# Allegro board 1151864-PCIE3_0_X16-166-20240802_20240815_2000_pcb.brd (continued)
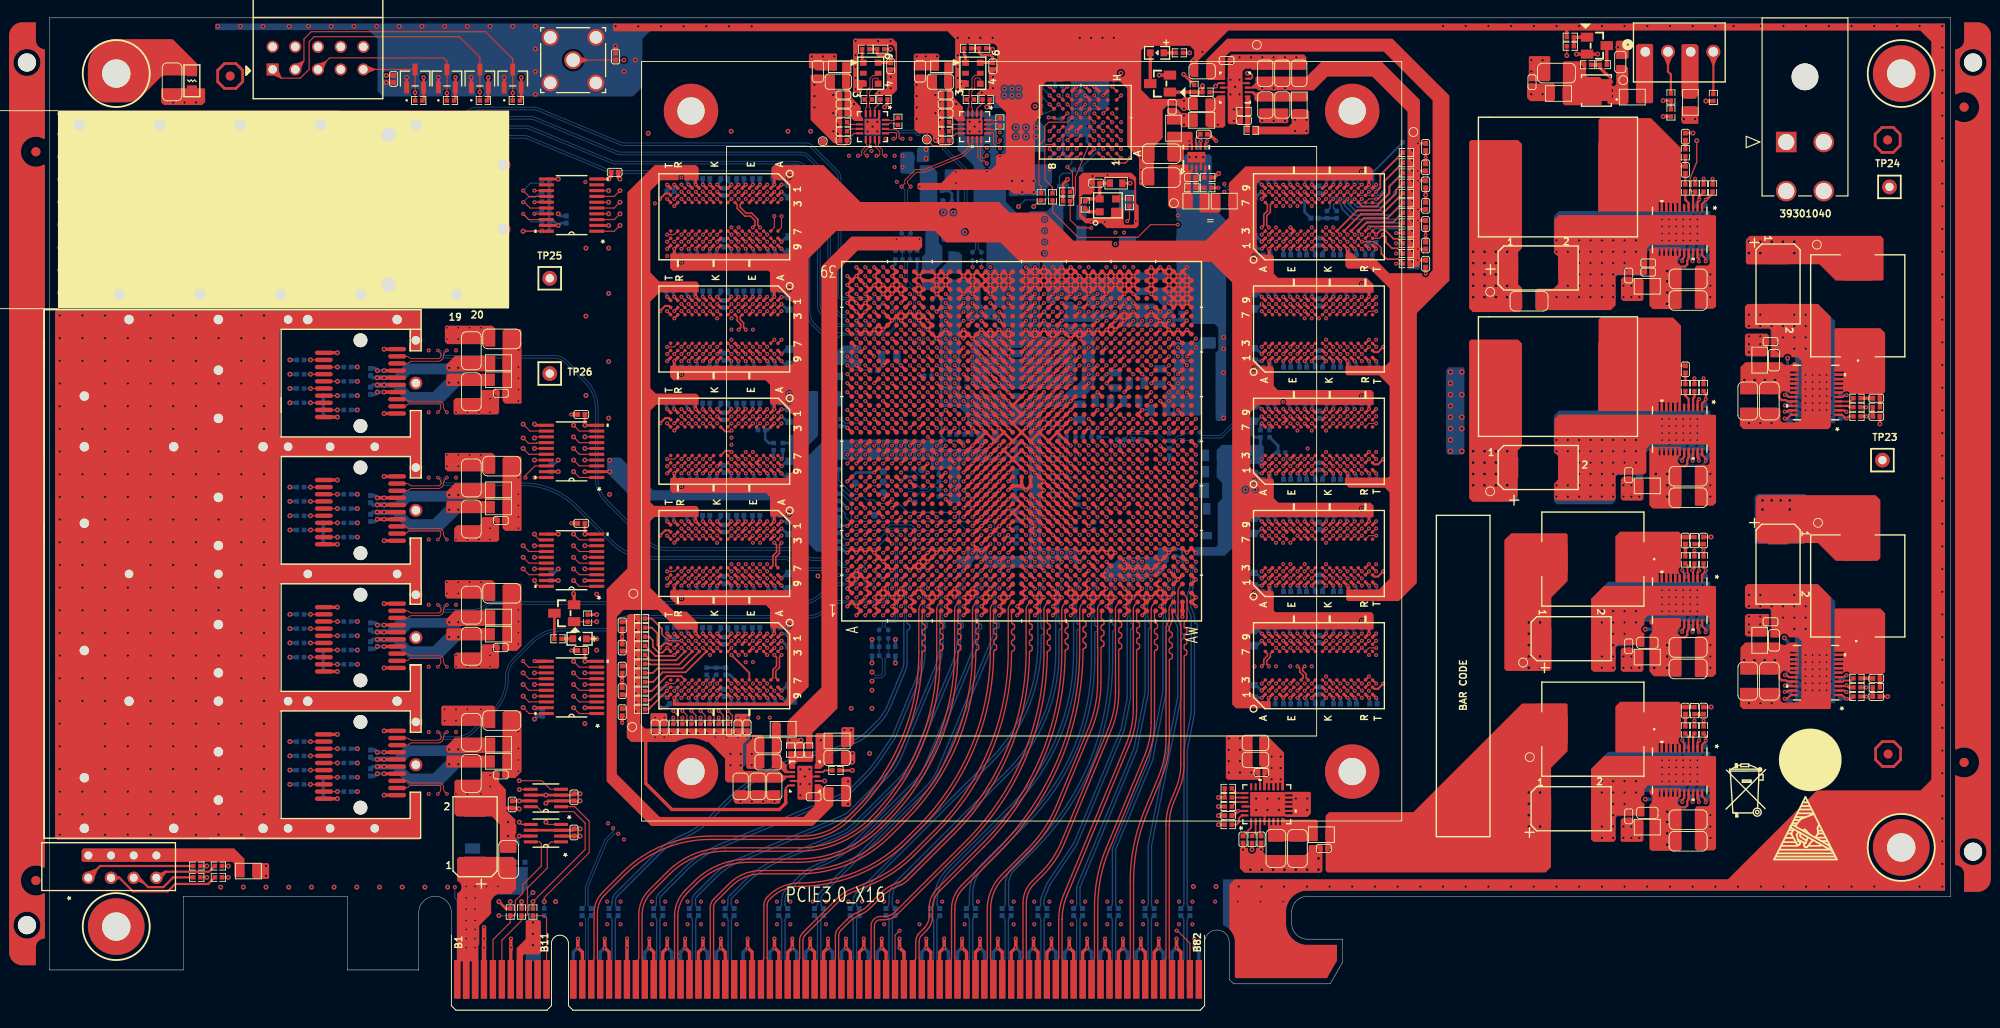
[diagram p0: board, top side]
## Routing (per net, layer and track width the routed paths; a pad name or vN(x,y) marks a point on that pad's centre or on a via; arc(x,y) is an arc through that point) (continued)
FPGA_DDR4_2_UDM2_N: length 28.7
  TOP w0.127: U10.E2 v1(138.89,73.5) ; U1.AV16 v1(127.32,59.23)
  ART12 w0.137: v1(127.32,59.23) 127.62,59.23 128.13,59.74 128.51,59.74 128.89,59.36 131.84,59.36 134.96,62.48 134.96,70.76 135.49,71.3 135.49,72.19 135.24,72.44 135.24,74.47 135.95,75.18 137.09,75.18 137.23,75.05 137.23,74.91 137.36,74.78 137.64,74.78 137.78,74.91 137.78,75.05 137.91,75.18 138.36,75.18 138.49,75.05 138.49,74.14 138.5,74.14 138.89,73.74 v1(138.89,73.5)
FPGA_DDR4_2_UDM3_N: length 34.4
  TOP w0.127: U11.E2 v1(138.89,35.78)
  TOP w0.201: U1.AL12 v1(119.32,56.23)
  ART12 w0.137: v1(138.89,35.78) 138.3,35.38 135.6,35.38 135.28,35.52 132.24,37.55 126.49,43.29 125.34,44.06 124.34,44.73 124.08,44.84 123.39,45.3 122.53,45.66 121.92,45.66 121.26,45.79 121.03,45.88 120.85,46.06 120.69,46.45 120.54,46.6 120.15,46.76 119.88,47.04 119.82,47.31 119.82,48.36 119.55,48.63 119.16,48.79 118.86,49.1 118.86,54.51 119.14,55.64 v1(119.32,56.23)
FPGA_DDR4_2_UDM4_N: length 17.8
  TOP w0.127: U1.AU9 v1(126.32,52.23) ; U12.E2 v1(138.89,48.36)
  ART03 w0.137: v1(138.89,48.36) 138.5,48.1 138.24,47.96 134.66,47.96 134.01,48.23 133.93,48.41 133.98,48.52 133.9,48.7 133.65,48.81 133.47,48.73 133.42,48.62 133.25,48.54 132.99,48.65 132.92,48.83 132.97,48.94 132.89,49.12 132.64,49.23 132.46,49.15 132.41,49.04 132.23,48.96 131.98,49.07 131.9,49.25 131.95,49.36 131.88,49.54 131.62,49.65 131.44,49.57 131.4,49.46 131.22,49.38 130.96,49.49 130.89,49.67 130.94,49.78 130.86,49.96 130.61,50.07 130.43,49.99 130.38,49.88 130.2,49.8 129.95,49.91 129.88,50.09 129.92,50.2 129.85,50.38 129.6,50.49 129.42,50.41 129.37,50.3 129.19,50.22 128.97,50.31 128.79,50.5 128.24,50.72 127.36,50.72 127.07,50.85 126.77,51.14 v1(126.32,52.23)
FPGA_DDR4_2_UDQS1_C: length 48
  TOP w0.127: U1.AL16 v1(120.32,59.23)
  TOP w0.173: U9.A7 136.33,90.24 136.33,89.53 135.93,89.13 135.93,87.91 v1(135.69,87.67)
  ART12 w0.102: v1(120.32,59.23) 120.02,59.23 119.92,59.13 119.92,58.96 120.06,58.83 120.58,58.83 120.72,58.97 120.72,63.79 121.72,64.79 121.72,66.54 122.01,66.83 122.79,66.83 123.01,67.06 123.39,67.06 123.45,67.12 123.48,67.12
  ART12 w0.14: 123.48,67.12 123.85,67.12 123.99,67.26 123.99,67.58 124.13,67.72 124.41,67.72 124.55,67.58 124.55,67.26 124.69,67.12 125.09,67.12 126.1,68.12 126.64,68.12 126.78,68.26 126.78,68.29 126.92,68.43 127.2,68.43 127.34,68.29 127.34,68.26 127.47,68.12 127.85,68.12 127.99,68.26 127.99,69.75 127.62,70.12 127.62,71.15 127.99,71.52 127.99,73.22 127.57,73.63 127.57,73.77 127.43,73.91 127.11,73.91 126.78,74.24 126.78,75.07 127.11,75.4 127.43,75.4 127.57,75.54 127.57,75.77 127.95,76.15 127.95,83.77 131.86,87.67 v1(135.69,87.67)
FPGA_DDR4_2_UDQS1_T: length 48.2
  TOP w0.127: U1.AK16 v1(119.32,59.23)
  TOP w0.173: U9.B7 136.66,90.24 136.66,89.4 136.26,89 136.26,87.91 v1(136.49,87.67)
  ART12 w0.102: 123.48,66.79 123.45,66.79 123.39,66.85 123.1,66.85 122.87,66.63 122.09,66.63 121.92,66.45 121.92,64.71 120.92,63.71 120.92,58.88 120.66,58.62 119.97,58.62 119.72,58.88 119.72,59.13 119.62,59.23 v1(119.32,59.23) ; 135.37,87.27 135.74,87.27 136.09,87.42 v1(136.49,87.67)
  ART12 w0.14: 135.37,87.27 135.3,87.35 131.99,87.35 128.28,83.63 128.28,76.01 127.9,75.63 127.9,75.41 127.57,75.08 127.25,75.08 127.11,74.94 127.11,74.38 127.25,74.24 127.57,74.24 127.9,73.91 127.9,73.77 128.32,73.35 128.32,71.39 127.95,71.02 127.95,70.25 128.32,69.88 128.32,68.13 127.98,67.8 126.23,67.8 125.23,66.79 123.48,66.79
FPGA_DDR4_2_UDQS2_C: length 27.7
  TOP w0.127: U1.AV17 v1(127.32,60.23) ; U10.A7 v1(135.69,78.3)
  ART12 w0.102: v1(127.32,60.23) 127.02,60.23 126.92,60.13 126.92,59.98 127.07,59.83 127.48,59.83 127.72,60.06 127.72,60.52 128.02,60.83 128.68,60.83 128.75,60.89 128.77,60.89
  ART12 w0.14: v1(135.69,78.3) 135.93,78.07 135.93,77.28 135.31,76.65 134.4,76.65 133.52,75.77 133.52,63.35 131.06,60.89 130.62,60.89 130.48,61.03 130.48,61.35 130.34,61.49 130.06,61.49 129.92,61.35 129.92,61.03 129.78,60.89 128.77,60.89
FPGA_DDR4_2_UDQS2_T: length 27.7
  TOP w0.127: U1.AU17 v1(126.32,60.23) ; U10.B7 v1(136.49,78.3)
  ART12 w0.102: v1(126.32,60.23) 126.62,60.23 126.72,60.13 126.72,59.9 126.99,59.63 127.57,59.63 127.92,59.98 127.92,60.44 128.11,60.63 128.68,60.63 128.75,60.56 128.77,60.56
  ART12 w0.14: v1(136.49,78.3) 136.26,78.07 136.26,77.14 135.44,76.33 134.54,76.33 133.84,75.63 133.84,63.21 131.19,60.56 128.77,60.56
FPGA_DDR4_2_UDQS3_C: length 30.7
  TOP w0.127: U1.AN7 v1(122.32,50.23)
  TOP w0.173: U11.A7 136.33,39.95 136.33,39.7 135.93,39.3 135.93,38.75 v1(135.69,38.51)
  ART12 w0.102: v1(122.32,50.23) 122.02,50.23 121.92,50.33 121.92,50.53 122.02,50.63 128.65,50.63 128.71,50.56 128.74,50.56
  ART12 w0.14: v1(135.69,38.51) 135.93,38.75 135.93,39.03 135.54,39.42 134.27,39.42 131.07,42.61 131.07,43.69 131.41,44.02 132.08,44.02 132.22,44.16 132.22,44.69 132.06,44.86 131.41,44.86 131.07,45.19 131.07,46.02 131.41,46.35 132.08,46.35 132.22,46.49 132.22,47.02 132.06,47.19 131.41,47.19 131.07,47.52 131.07,48.67 130.1,49.65 129.9,49.65 129.68,49.42 129.48,49.42 129.28,49.62 129.28,49.82 129.5,50.04 129.5,50.24 129.18,50.56 128.74,50.56
FPGA_DDR4_2_UDQS3_T: length 30.7
  TOP w0.127: U1.AM7 v1(121.32,50.23)
  TOP w0.173: U11.B7 136.66,39.95 136.66,39.57 136.26,39.16 136.26,38.75 v1(136.49,38.51)
  ART12 w0.102: v1(121.32,50.23) 121.62,50.23 121.72,50.33 121.72,50.61 121.94,50.83 128.65,50.83 128.71,50.89 128.74,50.89
  ART12 w0.14: 128.74,50.89 129.31,50.89 131.4,48.8 131.4,47.65 131.54,47.52 132.19,47.52 132.55,47.16 132.55,46.35 132.22,46.02 131.54,46.02 131.4,45.88 131.4,45.32 131.54,45.18 132.19,45.18 132.55,44.83 132.55,44.02 132.22,43.69 131.54,43.69 131.4,43.55 131.4,42.75 134.4,39.75 135.67,39.75 136.26,39.16 136.26,38.75 v1(136.49,38.51)
FPGA_DDR4_2_UDQS4_C: length 14.1
  TOP w0.127: U1.AU12 v1(126.32,55.23) ; U12.A7 v1(135.69,53.16)
  ART03 w0.102: 128.74,54.89 128.71,54.89 128.65,54.83 126.02,54.83 125.92,54.93 125.92,55.13 126.02,55.23 v1(126.32,55.23)
  ART03 w0.14: 128.74,54.89 129.39,54.89 132.67,53.53 132.85,53.61 132.89,53.71 133.08,53.79 133.34,53.68 133.41,53.5 133.37,53.4 133.45,53.21 133.7,53.11 133.89,53.18 133.94,53.32 134.13,53.4 134.38,53.29 134.46,53.11 134.4,52.97 134.48,52.79 135.29,52.45 135.71,52.45 135.93,52.66 135.93,52.92 v1(135.69,53.16)
FPGA_DDR4_2_UDQS4_T: length 14
  TOP w0.127: U12.B7 v1(136.49,53.16) ; U1.AT12 v1(125.32,55.23)
  ART03 w0.102: v1(125.32,55.23) 125.62,55.23 125.72,55.13 125.72,54.85 125.94,54.63 128.65,54.63 128.71,54.56 128.74,54.56
  ART03 w0.14: v1(136.49,53.16) 136.26,52.92 136.26,52.53 135.85,52.12 135.23,52.12 134.48,52.43 129.33,54.56 128.74,54.56
FPGA_DDR4_2_WE_N: length 134
  TOP w0.127: U12.L2 v1(144.49,48.36) ; U10.L2 v1(144.49,73.5) ; U13.L2 v1(144.49,60.93) ; U11.L2 v1(144.49,35.78) ; U9.L2 v1(144.49,86.07) ; U1.AJ22 v1(118.32,66.23)
  ART05 w0.137: v1(150.73,84.76) 149.72,85.78 147.43,85.78 147.33,85.67 144.89,85.67 v1(144.49,86.07) ; 144.49,35.77 144.27,35.77 143.88,35.38 135.37,35.38
  ART05 w0.155: 135.37,35.38 122.51,35.38 119.93,37.96 119.93,38.18 120.08,38.33 120.08,38.55 119.86,38.77 119.65,38.77 119.5,38.62 119.28,38.62 113.4,44.5 113.4,44.85 112.53,45.72 112.15,45.72 111.82,46.05 111.82,61.21 111.92,61.44 112.16,61.68 112.55,61.84 112.69,61.98 112.89,62.46 113.05,62.62 113.53,62.82 113.72,63.01 114.01,63.72 114.56,64.54 114.94,65.45 115.11,65.62 115.56,65.81 117.46,65.81 118.21,66.12 v1(118.32,66.23) ; v1(144.49,35.78) 144.49,35.77
  ART12 w0.086: v1(144.49,86.07) 144.3,86.07 143.9,85.67 143.57,85.67 143.32,85.43 143.32,85.05 143.53,84.55 145.65,82.42 145.65,80.07 145.67,80.06 145.67,77.79 144.09,76.21 144.09,74.13 144.49,73.73 v1(144.49,73.5) 144.3,73.5 143.9,73.1 143.57,73.1 143.32,72.86 143.32,72.47 143.53,71.98 145.65,69.85 145.65,67.5 145.67,67.48 145.67,65.24 144.09,63.67 144.09,61.56 144.49,61.16 v1(144.49,60.93) 144.3,60.93 143.9,60.53 143.57,60.53 143.32,60.28 143.32,59.9 143.53,59.4 145.65,57.28 145.65,54.92 145.67,54.91 145.67,52.74 144.09,51.17 144.09,48.98 144.49,48.58 v1(144.49,48.36) 144.3,48.36 143.9,47.96 143.57,47.96 143.32,47.71 143.32,47.33 143.53,46.83 145.65,44.7 145.65,42.35 145.67,42.34 145.67,40.32 144.09,38.75 144.09,36.41 144.49,36.01 v1(144.49,35.78)
  BOTTOM w0.201: R135.1 v1(150.73,84.76)
FPGA_DDR4_CLK_1_200M_N: length 16.5
  TOP w0.127: U1.H31 v1(96.32,75.23)
  BOTTOM w0.102: v1(96.32,75.23) 96.62,75.23 96.72,75.13 96.72,74.9 96.99,74.63 97.65,74.63 97.92,74.9 97.92,76.61 97.7,76.83 97.09,76.83 96.92,76.99 96.92,80.74 96.68,80.99 96.68,81.06 96.04,81.69 96.04,83.78 R42.2 R39.1 96.33,85.52 96.31,85.54 R40.2 96.06,86.36 96.06,86.69 C372.2
FPGA_DDR4_CLK_1_200M_P: length 16.3
  TOP w0.127: U1.J31 v1(97.32,75.23)
  BOTTOM w0.102: v1(97.32,75.23) 97.02,75.23 96.92,75.13 96.92,74.98 97.08,74.83 97.56,74.83 97.72,74.99 97.72,76.52 97.62,76.62 97,76.62 96.72,76.91 96.72,80.66 96.53,80.85 96.47,80.85 96.32,80.99 96.18,80.99 96.07,80.88 95.93,80.88 95.78,81.03 95.78,81.17 95.89,81.28 95.89,81.42 95.75,81.57 95.75,83.81 R41.2 R38.1 95.48,85.59 95.51,85.62 R40.1 95.76,86.36 95.76,86.66 C373.2
FPGA_DDR4_CLK_2_200M_N: length 10.2
  TOP w0.127: U1.AM20 v1(121.32,63.23)
  BOTTOM w0.102: C370.2 127.73,63.82 R64.2 126.61,64.04 126.43,64.04 R63.1 123.75,64.53 121.09,64.53 120.99,64.43 120.99,64.28 R66.2 v1(121.32,63.23)
FPGA_DDR4_CLK_2_200M_P: length 10.3
  TOP w0.127: U1.AL20 v1(120.32,63.23)
  BOTTOM w0.102: v1(120.32,63.23) R65.2 120.67,64.31 120.67,64.58 120.92,64.82 123.87,64.82 124.9,63.8 R62.1 125.73,63.8 arc(125.76,63.81) 125.8,63.83 126.31,64.34 126.55,64.34 R64.1 127.71,64.62 C371.2
FPGA_DONE: length 71.3
  TOP w0.127: U1.U9 v1(106.32,52.23) ; v2(61.26,43.51) R3.2 Q1.1
  ART10 w0.086: v1(106.32,52.23) 106.77,51.78 106.77,42.94 96.82,32.99 81.74,32.99 81.03,32.28 65.71,32.28 62.1,35.89 62.1,42.67 v2(61.26,43.51)
FPGA_EMCCLK: length 18.9
  TOP w0.127: v1(120.64,88.39) 120.89,88.64 R23.2
  ART12 w0.086: v1(118.32,75.23) 118.73,75.64 120.48,75.64 120.79,75.95 120.79,88.31 120.7,88.39 v1(120.64,88.39)
  BOTTOM w0.127: R21.2 117.84,74.75 v1(118.32,75.23)
FPGA_INIT_B: length 47.7
  TOP w0.127: U1.T10 v1(105.32,54.23)
  ART10 w0.086: v2(108.47,90.02) 108.58,89.9 108.58,55.45 107.77,54.64 105.73,54.64 v1(105.32,54.23)
  BOTTOM w0.127: R5.1 114.27,93.75 113.41,93.75 113.05,93.39 R2.2 111.52,90.75 109.21,90.75 v2(108.47,90.02)
FPGA_M0: length 17.6
  TOP w0.127: U1.P9 v1(102.32,52.23)
  BOTTOM w0.127: R11.2 R12.2 89.09,52.73 92.82,52.73 94.09,54 96.35,54 96.89,53.47 96.89,52.96 97.09,52.76 101.79,52.76 v1(102.32,52.23)
FPGA_M1: length 18.6
  TOP w0.127: U1.P8 v1(102.32,51.23)
  BOTTOM w0.127: R14.2 R16.2 88.46,52.5 89.24,51.71 92.53,51.71 93.77,52.96 93.77,53.28 94.22,53.72 95.57,53.72 95.79,53.49 95.79,52.98 96.12,52.65 96.63,52.65 96.86,52.43 96.86,51.97 97.11,51.71 101.83,51.71 v1(102.32,51.23)
FPGA_M2: length 17.9
  TOP w0.127: U1.P10 v1(102.32,53.23)
  BOTTOM w0.127: v1(102.32,53.23) 101.83,53.72 97.11,53.72 96.48,54.36 94.04,54.36 93.43,53.75 90.08,53.75 89.85,53.98 89.85,54.48 89.09,55.24 89.09,55.63 88.66,56.05 R20.2 R17.2
FPGA_PCIE_RST_N: length 107.7
  TOP w0.127: v2(52.6,25.7) 55.12,25.7 56.08,24.74 U19.4 ; U1.K12 v1(99.32,55.23)
  ART03 w0.086: v1(99.32,55.23) 99.73,54.82 105.39,54.82 105.71,54.5 105.71,23.8 94.96,13.04 65.8,13.04 61.08,17.77 57.6,17.77 53.77,21.59 53.77,24.53 v2(52.6,25.7)
FPGA_PCIE_SMCLK: length 103.2
  TOP w0.127: U18.5 52.86,20.8 v2(52.6,21.06) ; U1.N13 v1(101.32,56.23)
  ART03 w0.086: v1(101.32,56.23) 101.73,56.63 105.48,56.63 105.8,56.31 105.8,56.13 106.2,55.74 106.37,55.74 106.74,55.38 106.74,43.44 106.64,43.34 106.64,23.18 95.14,11.67 65.82,11.67 61.05,16.45 57.21,16.45 v2(52.6,21.06)
FPGA_PCIE_SMDAT: length 96.6
  TOP w0.127: v2(55.58,21.06) 55.83,20.8 U18.4 ; U1.K11 v1(98.32,55.23)
  ART03 w0.086: v2(55.58,21.06) 55.6,21.06 58.31,18.35 61.28,18.35 66.18,13.45 94.66,13.45 105.24,24.04 105.24,43.68 104.92,44 104.92,53.48 104.58,53.82 103.16,53.82 102.55,54.43 101.76,54.43 101.56,54.63 98.91,54.63 v1(98.32,55.23)
FPGA_PCIE_WAKE_N: length 103.6
  TOP w0.127: U19.5 52.62,24.74 v2(52.6,24.72) ; U1.N12 v1(101.32,55.23)
  ART03 w0.086: v2(52.6,24.72) 53.29,24.03 53.29,21.16 57.33,17.12 61.06,17.12 65.53,12.65 95.14,12.65 106.22,23.73 106.22,43.22 105.9,43.54 105.9,55.27 105.35,55.82 101.91,55.82 v1(101.32,55.23)
FPGA_POR_OVERRIDE: length 5.9
  TOP w0.127: U1.V8 v1(106.32,51.23)
  BOTTOM w0.127: R13.1 R15.1 107.91,54.05 107.61,53.75 107.02,53.75 106.84,53.57 106.84,51.75 v1(106.32,51.23)
FPGA_PROGRAM_B: length 23.2
  TOP w0.127: U1.V10 v1(106.32,53.23)
  BOTTOM w0.127: v1(106.32,53.23) 106.32,53.38 105.78,53.92 105.78,54.58 105.62,54.74 102.16,54.74 101.85,55.04 101.85,55.42 101.52,55.75 96.06,55.75 95.05,56.77 92.66,56.77 92.25,57.18 91.43,57.18 90.82,57.78 89.9,57.78 88.35,59.33 88.35,60.59 R1.2
FPGA_PUDC_B: length 24.3
  TOP w0.127: U1.U8 v1(105.32,51.23)
  BOTTOM w0.127: v1(105.32,51.23) 105.75,51.66 105.75,53.49 105.45,53.8 102.59,53.8 101.63,54.76 90.13,54.76 89.77,55.12 89.77,56.77 88.71,57.83 R19.2 R18.2
FPGA_QSFP_CLK_156P25M_N: length 8.9
  TOP w0.102: U1.N34 v1(102.32,78.23)
  ART03 w0.084: v1(103.32,83.23) 103.56,83.23 103.65,83.14 103.65,82.71 103.9,82.11 103.9,79.16 103.65,78.92 103.65,78.6 103.73,78.52 103.73,78.08 103.48,77.82 102.4,77.82 102.32,77.9 v1(102.32,78.23)
  BOTTOM w0.102: C15.2 v1(103.32,83.23)
FPGA_QSFP_CLK_156P25M_P: length 9.2
  TOP w0.102: U1.N33 v1(102.32,77.23)
  ART03 w0.084: v1(104.32,83.23) 104.08,83.23 103.99,83.14 103.99,82.78 104.24,82.18 104.24,79.02 104,78.78 104,78.69 103.92,78.61 103.92,78 103.55,77.64 102.4,77.64 102.32,77.55 v1(102.32,77.23)
  BOTTOM w0.102: C14.2 v1(104.32,83.23)
FPGA_QSFP_IIC_SCL: length 22.7
  TOP w0.127: U14.20 v2(53.03,87.25) ; J3.11 v1(44.04,88.68)
  ART10 w0.086: v2(53.03,87.25) 53.03,85.04 49.91,81.92 48.45,81.92 45.21,85.16 45.21,87.51 v1(44.04,88.68)
  BOTTOM w0.127: v2(53.03,87.25) 53.08,87.3 R153.2
FPGA_QSFP_IIC_SCL_1V8: length 105.6
  TOP w0.127: U1.D9 v1(92.32,52.23) ; v2(63.87,87.9) 63.22,87.25 U14.1
  ART03 w0.086: v2(63.87,87.9) 63.87,77.63 65.02,76.48 65.02,31.04 66.7,29.36 81.18,29.36 90.45,38.63 90.45,41.08 92.73,43.36 92.73,51.43 92.32,51.84 v1(92.32,52.23)
FPGA_QSFP_IIC_SDA: length 26.4
  TOP w0.127: U14.18 53.68,88.55 v1(53.03,89.2) ; J3.12 v1(44.04,87.88)
  ART10 w0.086: v1(44.04,87.88) 44.7,87.21 44.7,85.1 48.48,81.33 50.24,81.33 53.72,84.81 53.72,88.51 v1(53.03,89.2)
  BOTTOM w0.127: v1(53.03,89.2) 53.92,88.32 R154.2
FPGA_QSFP_IIC_SDA_1V8: length 104.4
  TOP w0.127: v2(63.87,89.2) 63.22,88.55 U14.3 ; U1.C9 v1(91.32,52.23)
  ART03 w0.086: v2(63.87,89.2) 64.74,88.33 64.74,78.51 65.76,77.5 65.76,31.75 67.41,30.1 80.87,30.1 89.61,38.84 89.61,41.78 91.73,43.89 91.73,51.84 91.34,52.23 v1(91.32,52.23)
FPGA_QSFP_INTL: length 13.3
  TOP w0.127: U14.14 53.68,91.15 v1(53.03,91.8) ; J3.28 v1(49.94,89.08)
  ART10 w0.086: v1(53.03,91.8) 53.03,91.44 53.57,90.91 53.57,90.3 53.3,90.03 50.89,90.03 v1(49.94,89.08)
  BOTTOM w0.127: R158.2 53.86,92.63 v1(53.03,91.8)
FPGA_QSFP_INTL_1V8: length 102.9
  TOP w0.127: v2(63.87,91.8) 63.22,91.15 U14.7 ; U1.A9 v1(89.32,52.23)
  ART03 w0.086: v2(63.87,91.8) 65.45,91.8 66.27,90.98 66.27,80.11 67.23,79.15 67.23,32.64 67.64,32.23 80.77,32.23 87.6,39.07 87.6,46.13 89.15,47.68 89.51,47.68 89.73,47.89 89.73,51.84 89.34,52.23 v1(89.32,52.23)
FPGA_QSFP_LPMODE: length 9
  TOP w0.127: U14.13 v1(54.3,91.8) ; J3.31 49.35,91.48 49.94,92.07 v1(49.94,92.28)
  ART10 w0.086: v1(49.94,92.28) 50.3,92.63 53.9,92.63 54.3,92.23 v1(54.3,91.8)
FPGA_QSFP_LPMODE_1V8: length 104.1
  TOP w0.127: U1.A10 v1(89.32,53.23) ; U14.8 v2(62.6,91.8)
  ART03 w0.086: v2(62.6,91.8) 62.6,91.78 63.22,91.16 65.43,91.16 65.91,90.68 65.91,79.65 66.9,78.66 66.9,32.39 67.39,31.9 80.95,31.9 88.21,39.16 88.21,43.4 89.91,45.11 89.91,52.63 v1(89.32,53.23)
FPGA_QSFP_MODPRSL: length 9.5
  TOP w0.127: J3.27 v1(49.28,88.28) ; U14.15 v1(54.3,90.5)
  ART10 w0.086: v1(54.3,90.5) 53.49,89.69 51.33,89.69 50.38,88.74 v1(49.28,88.28)
  BOTTOM w0.127: R157.2 54.4,90.6 v1(54.3,90.5)
FPGA_QSFP_MODPRSL_1V8: length 104.6
  TOP w0.127: U14.6 v2(62.6,90.5) ; U1.B10 v1(90.32,53.23)
  ART03 w0.086: v1(90.32,53.23) 90.91,52.63 90.91,43.99 89.15,42.23 89.15,38.91 81.31,31.06 67.08,31.06 66.09,32.05 66.09,78.03 65.1,79.02 65.1,89.15 64.29,89.97 63.09,89.97 62.6,90.46 v2(62.6,90.5)
FPGA_QSFP_MODSELL: length 17.7
  TOP w0.127: U14.17 v1(54.3,89.2) ; J3.8 v1(44.04,91.08)
  ART10 w0.086: v1(44.04,91.08) 48.33,91.08 48.9,91.64 50.57,91.64 51.23,92.3 53.47,92.3 53.75,92.02 53.75,91.64 54.23,91.16 54.61,91.16 54.91,90.86 54.91,89.81 v1(54.3,89.2)
  BOTTOM w0.127: v1(54.3,89.2) 54.56,89.46 R155.2
FPGA_QSFP_MODSELL_1V8: length 107.5
  TOP w0.127: U14.4 v2(62.6,89.2) ; U1.B11 v1(90.32,54.23)
  ART03 w0.086: v2(62.6,89.2) 62.6,89.19 63.14,88.65 63.91,88.65 64.41,88.14 64.41,77.93 65.43,76.91 65.43,31.65 67.29,29.79 81.05,29.79 90.02,38.76 90.02,41.26 92.09,43.33 92.09,43.9 91.91,44.07 91.91,52.37 91.58,52.7 91.27,52.7 90.76,53.21 90.76,53.78 v1(90.32,54.23)
FPGA_QSFP_RESETL: length 16.4
  TOP w0.127: v1(53.03,90.5) 53.15,90.5 53.8,89.85 U14.16 ; J3.9 v1(44.04,90.28)
  ART10 w0.086: v1(53.03,90.5) 52.3,91.24 49.07,91.24 48.11,90.28 v1(44.04,90.28)
  BOTTOM w0.127: v1(53.03,90.5) 53.56,91.03 54.36,91.03 54.94,91.62 R156.2
FPGA_QSFP_RESETL_1V8: length 103.5
  TOP w0.127: U1.B9 v1(90.32,52.23) ; v2(63.87,90.5) 63.22,89.85 U14.5
  ART03 w0.086: v1(90.32,52.23) 90.34,52.23 90.73,51.84 90.73,44.98 90.47,44.73 90.12,44.73 88.66,43.27 88.66,39 81.15,31.5 67.22,31.5 66.5,32.22 66.5,78.44 65.51,79.43 65.51,89.81 64.82,90.5 v2(63.87,90.5)
FPGA_QSFP_RX_0_N: length 78.8
  TOP w0.127: U1.G39 v1(95.32,83.23)
  TOP w0.356: J3.18 v4(44.04,83.08)
  ART12 w0.084: v4(44.04,83.08) 43.92,83.2 arc(43.8,83.28) 43.66,83.31 43.55,83.31 arc(43.13,83.48) 42.96,83.89 42.96,95.89 arc(43.13,96.74) 43.61,97.45 45.96,99.8 arc(47.67,100.95) 49.7,101.35 57.75,101.35 arc(58,101.33) 58.24,101.25 67.31,97.49 arc(67.49,97.44) 67.67,97.42 82.48,97.42 arc(84.75,96.97) 86.67,95.69 92.97,89.39 arc(93.74,88.24) 94.01,86.88 94.01,85.05 arc(94.04,84.88) 94.14,84.73 95.05,83.82 arc(95.16,83.65) 95.2,83.45 95.2,83.31 arc(95.22,83.25) 95.28,83.23 v1(95.32,83.23)
FPGA_QSFP_RX_0_P: length 78.8
  TOP w0.127: U1.G38 v1(95.32,82.23)
  TOP w0.356: J3.17 v4(44.04,83.88)
  ART12 w0.084: v1(95.32,82.23) 95.07,82.48 arc(94.91,82.72) 94.85,83 94.85,83.45 arc(94.84,83.52) 94.8,83.57 93.89,84.48 arc(93.72,84.74) 93.66,85.05 93.66,86.88 arc(93.42,88.11) 92.72,89.15 86.42,95.45 arc(84.61,96.65) 82.48,97.08 67.67,97.08 arc(67.42,97.1) 67.18,97.18 58.1,100.93 arc(57.93,100.99) 57.75,101.01 49.7,101.01 arc(47.81,100.63) 46.2,99.56 43.85,97.21 arc(43.45,96.6) 43.31,95.89 43.31,87.26 arc(43.34,87.17) 43.42,87.14 arc(43.5,87.11) 43.54,87.03 43.54,86.92 arc(43.5,86.84) 43.42,86.81 arc(43.34,86.77) 43.31,86.69 43.31,84.83 arc(43.34,84.74) 43.43,84.71 arc(43.52,84.67) 43.56,84.58 43.56,84.5 arc(43.52,84.41) 43.43,84.37 arc(43.34,84.33) 43.31,84.24 43.31,83.89 arc(43.38,83.72) 43.55,83.65 43.66,83.65 arc(43.8,83.68) 43.92,83.76 v4(44.04,83.88)
FPGA_QSFP_RX_1_N: length 74.9
  TOP w0.127: U1.E39 v1(93.32,83.23)
  TOP w0.356: v4(49.28,83.48) J3.21
  ART12 w0.084: v1(93.32,83.23) 93.32,83.02 arc(93.26,82.88) 93.13,82.82 93.12,82.82 arc(92.84,82.7) 92.72,82.42 92.72,82.13 arc(92.63,81.91) 92.4,81.81 91.2,81.81 arc(91,81.9) 90.92,82.1 90.92,83.57 arc(90.98,83.65) 91,83.76 91,86.94 arc(90.79,88) 90.18,88.91 84.7,94.39 arc(84.08,94.85) 83.35,95.13 arc(82.94,95.2) 82.51,95.22 66.23,95.22 arc(65.91,95.26) 65.6,95.35 56.68,99.04 arc(56.45,99.12) 56.2,99.14 49.63,99.14 arc(48.7,98.96) 47.91,98.43 47.72,98.24 arc(47.12,97.34) 46.91,96.29 46.91,85.99 arc(47.04,85.35) 47.4,84.81 48.27,83.95 arc(48.54,83.77) 48.86,83.71 48.9,83.71 arc(49.04,83.68) 49.16,83.6 v4(49.28,83.48)
FPGA_QSFP_RX_1_P: length 74.9
  TOP w0.127: U1.E38 v1(93.32,82.23)
  TOP w0.356: v4(49.28,84.28) J3.22
  ART12 w0.084: v4(49.28,84.28) 49.16,84.16 arc(49.04,84.08) 48.9,84.05 48.86,84.05 arc(48.67,84.09) 48.51,84.19 48.12,84.58 arc(48.09,84.67) 48.12,84.75 arc(48.16,84.84) 48.12,84.92 48.06,84.99 arc(47.97,85.02) 47.89,84.99 47.89,84.99 arc(47.8,84.95) 47.72,84.99 47.65,85.06 arc(47.36,85.49) 47.26,85.99 47.26,86.29 arc(47.28,86.35) 47.34,86.37 arc(47.4,86.4) 47.42,86.45 47.42,86.63 arc(47.4,86.68) 47.34,86.71 arc(47.28,86.73) 47.26,86.79 47.26,86.96 arc(47.28,87.02) 47.34,87.04 arc(47.4,87.07) 47.42,87.13 47.42,87.3 arc(47.4,87.36) 47.34,87.38 arc(47.28,87.4) 47.26,87.46 47.26,87.63 arc(47.28,87.69) 47.34,87.71 arc(47.4,87.74) 47.42,87.8 47.42,87.97 arc(47.4,88.03) 47.34,88.05 arc(47.28,88.07) 47.26,88.13 47.26,88.3 arc(47.28,88.36) 47.34,88.38 arc(47.4,88.41) 47.42,88.47 47.42,88.64 arc(47.4,88.7) 47.34,88.72 arc(47.28,88.74) 47.26,88.8 47.26,96.29 arc(47.44,97.21) 47.97,97.99 48.16,98.18 arc(48.83,98.64) 49.63,98.8 56.2,98.8 arc(56.38,98.78) 56.55,98.72 65.47,95.03 arc(65.85,94.92) 66.23,94.88 82.51,94.88 arc(82.9,94.86) 83.28,94.79 arc(83.91,94.55) 84.46,94.14 89.94,88.66 arc(90.47,87.87) 90.65,86.94 90.65,86 arc(90.63,85.94) 90.58,85.92 arc(90.52,85.9) 90.5,85.84 90.5,85.66 arc(90.52,85.61) 90.58,85.58 arc(90.63,85.56) 90.65,85.51 90.65,85.32 arc(90.63,85.27) 90.58,85.25 arc(90.52,85.23) 90.5,85.17 90.5,84.99 arc(90.52,84.94) 90.58,84.91 arc(90.63,84.89) 90.65,84.84 90.65,83.71 arc(90.67,83.63) 90.72,83.56 90.73,83.54 90.73,82.1 arc(90.87,81.77) 91.2,81.63 92.4,81.63 arc(92.76,81.78) 92.91,82.13 92.91,82.42 arc(92.97,82.57) 93.12,82.64 93.13,82.64 arc(93.26,82.58) 93.32,82.44 v1(93.32,82.23)
FPGA_QSFP_RX_2_N: length 72.3
  TOP w0.127: U1.C39 v1(91.32,83.23)
  TOP w0.356: v4(44.04,85.48) J3.15
  ART12 w0.084: v1(91.32,83.23) 91.32,83.01 arc(91.38,82.88) 91.51,82.82 91.53,82.82 arc(91.67,82.88) 91.72,83.01 91.72,83.37 arc(91.71,83.41) 91.69,83.45 91.68,83.46 arc(91.65,83.5) 91.64,83.54 91.64,83.74 arc(91.69,83.97) 91.82,84.17 arc(91.84,84.19) 91.86,84.22 91.87,84.23 arc(91.88,84.24) 91.88,84.25 arc(92,84.49) 92.03,84.76 92.03,84.91 arc(92,85) 91.91,85.03 arc(91.83,85.07) 91.8,85.15 91.8,85.25 arc(91.83,85.33) 91.91,85.37 arc(92,85.4) 92.03,85.48 92.03,85.58 arc(92,85.67) 91.91,85.7 arc(91.83,85.74) 91.8,85.82 91.8,85.92 arc(91.83,86) 91.91,86.04 arc(92,86.07) 92.03,86.16 92.03,86.25 arc(92,86.34) 91.91,86.37 arc(91.83,86.41) 91.8,86.49 91.8,86.59 arc(91.83,86.67) 91.91,86.71 arc(92,86.74) 92.03,86.83 92.03,87.18 arc(91.84,88.16) 91.28,88.99 85.5,94.77 arc(84.19,95.65) 82.63,95.96 67.09,95.96 arc(66.84,95.99) 66.6,96.06 57.4,99.87 arc(57.23,99.92) 57.05,99.94 49.7,99.94 arc(48.46,99.69) 47.42,99 46.73,98.3 arc(46.24,97.72) 45.89,97.05 45.25,95.51 arc(45.03,94.79) 44.96,94.04 44.96,86.26 arc(44.79,85.87) 44.4,85.71 44.39,85.71 arc(44.28,85.68) 44.18,85.62 v4(44.04,85.48)
FPGA_QSFP_RX_2_P: length 72.4
  TOP w0.127: U1.C38 v1(91.32,82.23)
  TOP w0.356: v4(44.04,86.28) J3.14
  ART12 w0.084: v4(44.04,86.28) 44.18,86.14 arc(44.28,86.07) 44.39,86.05 44.4,86.05 arc(44.55,86.11) 44.61,86.26 44.61,94.04 arc(44.69,94.86) 44.93,95.64 45.57,97.18 arc(45.96,97.91) 46.48,98.55 47.17,99.24 arc(48.33,100.01) 49.7,100.28 57.05,100.28 arc(57.3,100.26) 57.53,100.19 66.73,96.38 arc(66.91,96.32) 67.09,96.31 82.63,96.31 arc(84.32,95.97) 85.75,95.02 91.53,89.24 arc(92.16,88.29) 92.38,87.18 92.38,84.76 arc(92.33,84.42) 92.2,84.1 arc(92.17,84.06) 92.15,84.02 arc(92.11,83.97) 92.06,83.92 92.06,83.92 arc(92.01,83.84) 91.99,83.74 91.99,83.62 arc(91.98,83.58) 91.95,83.54 91.91,83.49 91.91,83.01 arc(91.8,82.75) 91.53,82.64 91.52,82.64 arc(91.38,82.58) 91.32,82.44 v1(91.32,82.23)
FPGA_QSFP_RX_3_N: length 66.8
  TOP w0.127: U1.B37 v1(90.32,81.23)
  TOP w0.356: J3.24 v4(49.28,85.88)
  ART12 w0.084: v1(90.32,81.23) 90.32,81.01 arc(90.27,80.88) 90.13,80.82 90.12,80.82 arc(89.98,80.88) 89.93,81.01 89.93,83.47 arc(89.94,83.52) 89.96,83.55 89.97,83.57 arc(90,83.6) 90.01,83.65 90.01,83.83 arc(90,83.88) 90,83.93 89.96,84.09 arc(89.95,84.13) 89.94,84.17 89.93,84.2 89.8,84.52 arc(89.74,84.7) 89.72,84.88 89.72,86.55 arc(89.51,87.63) 88.9,88.55 83.66,93.78 arc(83.64,93.8) 83.62,93.82 arc(83.22,94.07) 82.75,94.16 65.46,94.16 arc(64.9,94.21) 64.36,94.38 55.67,97.98 arc(55.43,98.05) 55.18,98.07 49.63,98.07 arc(49.12,97.97) 48.7,97.69 48.49,97.48 arc(48.23,97.1) 48.14,96.65 48.14,86.76 arc(48.34,86.3) 48.8,86.1 48.9,86.1 arc(49.04,86.08) 49.16,86 v4(49.28,85.88)
FPGA_QSFP_RX_3_P: length 66.9
  TOP w0.127: U1.B36 v1(90.32,80.23)
  TOP w0.356: J3.25 v4(49.28,86.68)
  ART12 w0.084: v1(90.32,80.23) 90.32,80.44 arc(90.26,80.58) 90.13,80.64 90.12,80.64 arc(89.85,80.75) 89.74,81.01 89.74,83.47 arc(89.73,83.52) 89.71,83.55 89.7,83.57 arc(89.67,83.6) 89.66,83.65 89.66,83.83 arc(89.66,83.84) 89.66,83.86 89.63,84.01 89.62,84.03 arc(89.62,84.03) 89.62,84.04 89.61,84.07 89.55,84.2 89.48,84.39 arc(89.4,84.63) 89.38,84.88 89.38,86.55 arc(89.19,87.5) 88.65,88.3 83.62,93.34 83.42,93.54 83.42,93.54 arc(83.4,93.55) 83.39,93.57 arc(83.09,93.75) 82.75,93.81 65.46,93.81 arc(64.83,93.87) 64.23,94.06 55.53,97.66 arc(55.36,97.71) 55.18,97.73 49.63,97.73 arc(49.26,97.65) 48.94,97.44 48.73,97.23 arc(48.55,96.97) 48.49,96.65 48.49,89.89 arc(48.53,89.78) 48.64,89.74 arc(48.75,89.69) 48.79,89.58 48.79,89.55 arc(48.75,89.45) 48.64,89.4 arc(48.53,89.36) 48.49,89.25 48.49,89.22 arc(48.53,89.11) 48.64,89.07 arc(48.75,89.02) 48.79,88.91 48.79,88.88 arc(48.75,88.78) 48.64,88.73 arc(48.53,88.69) 48.49,88.58 48.49,88.55 arc(48.53,88.44) 48.64,88.4 arc(48.75,88.35) 48.79,88.24 48.79,88.21 arc(48.75,88.1) 48.64,88.06 arc(48.53,88.02) 48.49,87.91 48.49,87.88 arc(48.53,87.77) 48.64,87.72 arc(48.75,87.68) 48.79,87.57 48.79,87.54 arc(48.75,87.43) 48.64,87.39 arc(48.53,87.34) 48.49,87.24 48.49,86.76 arc(48.58,86.54) 48.8,86.45 48.9,86.45 arc(49.04,86.48) 49.16,86.56 v4(49.28,86.68)
